# Altium PCB SG1.PcbDoc (part 3 of 3)
Units mil, origin at the board's own origin, x right, y up, seen from the top; angles counter-clockwise.
Board outline 5869 x 5955 mil, 6 copper layers (Top Layer, GND, PWR, SIGN, GND (Plane2), Bottom Layer), stack 61.068 mil thick; 119 components, 91 nets, 465 pads, 399 vias.
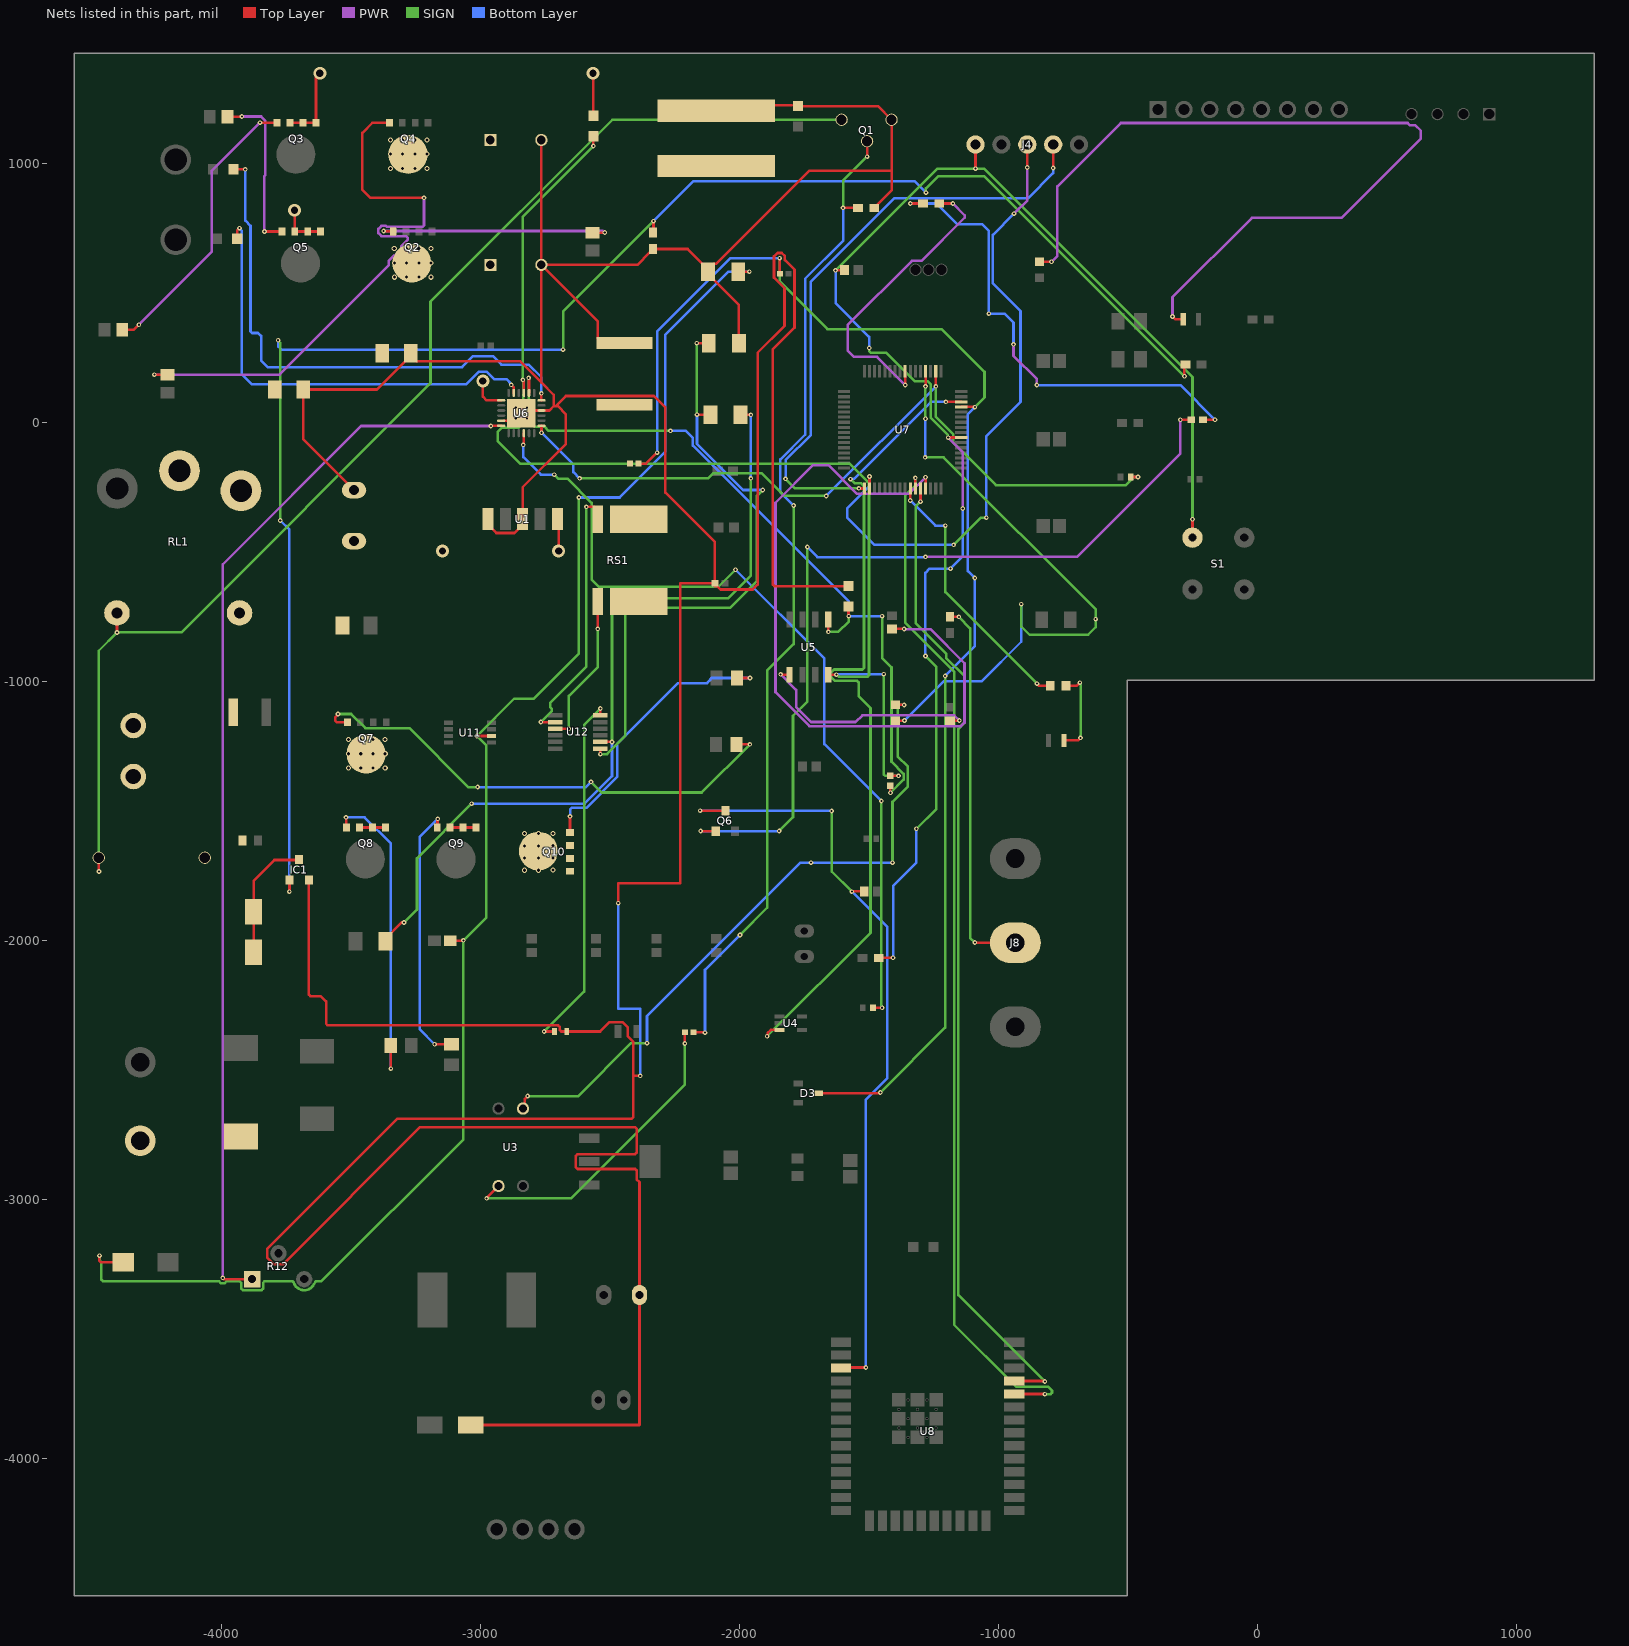
[diagram p7: the nets of this part, all layers, seen from the top]

## Via types
v1: diameter 18, hole 8, Top Layer to Bottom Layer, 260 vias
v2: diameter 19.68, hole 11.81, Top Layer to Bottom Layer, 96 vias
v3: diameter 50, hole 28, Top Layer to Bottom Layer, 38 vias
v4: diameter 19.68, hole 7.87, Top Layer to Bottom Layer, 4 vias
v5: diameter 23.62, hole 11.81, Top Layer to Bottom Layer, 1 vias

## Nets (pads, with @x,y where several pads share a name; then routed paths per layer and width w, separated by ;. In a path a pad name is that pad's centre, name@x,y a point inside that pad or via, vN(x,y) a via of type N, cw(c..) or ccw(c..) an arc to the next point about the centre after c; other vN are vias at no path point) (continued)
NetD4_1: D4.1 Q1.C RL1.2 | length 4830.5
  Top Layer w10: D4.1@-4475.72,-1681 -4475,-1681.72 -4475.36,-1682.09 -4475.36,-1733.64 v1(-4475,-1734) ; RL1.2@-4405.37,-735.61 -4405.37,-810.63 v1(-4405,-811)
  SIGN w10: D4.1@-4475.72,-1681 -4475.72,-881.72 v1(-4405,-811) -4157,-811 -3194.77,151.23 -3194.77,466.52 -2492.95,1168.34 Q1.C@-1607.46,1168.34
NetD5_2: D5.2 R6.2 | length 3228
  Top Layer w10: R6.2@-844,619.51 -797.49,619.51 v1(-797,620) ; v1(-330,409) -318.99,397.99 D5.2@-288.51,397.99
  PWR w10: v1(-797,620) -775,642 -775,910.51 -529.51,1156 578.04,1156 587.04,1147 607.91,1147 629,1125.91 629,1096.09 322.64,789.73 -23.64,789.73 -330,483.38 v1(-330,409)
NetD6_2: D6.2 R7.2 | length 341.3
  Top Layer w10: D6.2@-749.49,-1227.99 -694.99,-1227.99 v1(-685,-1218) ; R7.2@-741.49,-1017 -700,-1017 v1(-688,-1005)
  SIGN w10: v1(-688,-1005) -688,-1007.16 -685,-1010.16 v1(-685,-1218)
NetD7_1: D7.1 D7.2 IC1.3 J7.1 | length 486.9
  Top Layer w10: D7.1@-3878,-2046.74 D7.2@-3878,-1889.26 -3878,-1770 -3797.6,-1689.6 -3703.97,-1689.6 IC1.3@-3702,-1687.63
NetJ8_2: J8.2 R25.2 | length 1473.7
  Top Layer w10: R25.2@-1189,-750.5 -1155.5,-750.5 v1(-1155,-751) ; v1(-1093,-2008) -1092,-2009 J8.2@-936.57,-2009
  SIGN w10: v1(-1155,-751) -1111,-795 -1111,-1990 v1(-1093,-2008)
NetNT2_2: NT2.2 Q3.1 Q3.2 Q3.3 Q5.1 Q5.2 Q5.3 R18.2 | length 643.8
  Top Layer w10: Q3.3@-3736.87,1156.76 Q3.2@-3686.87,1156.76 Q3.1@-3636.87,1156.76 -3636.87,1333.13 v3(-3622,1348) ; v3(-3720,819) -3719.44,818.44 -3719.44,737.32 Q5.3@-3718.87,736.76 Q5.2@-3668.87,736.76 Q5.1@-3618.87,736.76 ; v3@-2567,1347 -2566,1346 NT2.2@-2566,1183.74
  other v3: -2567,1348
NetQ1_B: Q1.B R4.2 R5.1 | length 3845.2
  Top Layer w10: R4.2@-2179.27,-2355 -2136,-2355 v1(-2135,-2356) ; v1(-1602,828) -1601.69,828.31 R5.1@-1544.76,828.31 ; v1(-1509.03,1026.03) Q1.B@-1509.03,1085.66
  SIGN w10: v1(-2000,-1979) -1895,-1874 -1895,-958 -1793,-856 v1(-1793,-321) ; v1(-1602,828) -1602,933.06 v1(-1509.03,1026.03)
  Bottom Layer w10: v1(-2135,-2356) -2135,-2114 v1(-2000,-1979) ; v1(-1793,-321) -1844,-270 -1844,-143.37 -1748,-47.37 -1748,555 -1602,701 v1(-1602,828)
NetQ2_4: Q2.4 R15.2 | length 942.7
  Top Layer w10: v1(-3376,739) -3374.88,737.88 -3342.23,737.88 -3341.11,739 Q2.4@-3338.87,736.76 ; R15.2@-2569,732.45 -2522.55,732.45 v1(-2522,733)
  PWR w10: v1(-3376,739) -2530.16,739 -2524.16,733 v1(-2522,733)
NetQ3_4: Q3.4 R14.2 | length 1111.5
  Top Layer w10: R14.2@-4384.55,358 -4340,358 v1(-4321,377) ; v1(-3853,1157) -3852.76,1156.76 Q3.4@-3786.87,1156.76
  PWR w10: v1(-4321,377) -4039.66,658.34 -4039.66,970.34 v1(-3853,1157)
NetQ4_4: Q4.4 R17.2 | length 2289.8
  Top Layer w10: v1(-4261,184) -4260.45,183.45 R17.2@-4210,183.45 ; Q4.4@-3353.87,1156.76 -3419.24,1156.76 -3458,1118 -3458,898 -3427,867 v1(-3220,867)
  PWR w10: v1(-4261,184) -3778,184 -3355.29,606.71 -3355.29,624.15 -3333.58,645.86 -3330.04,645.86 -3308.34,667.56 -3308.34,679.27 -3282.75,704.86 -3282.75,713.14 -3288.61,719 -3384.28,719 -3396,730.72 -3396,747.28 -3384.28,759 -3367.72,759 -3363.72,755 -3225.86,755 -3220,760.86 v1(-3220,867)
NetQ5_4: Q5.4 R16.2 | length 649.2
  Top Layer w10: R16.2@-3978.55,1180 -3924,1180 v1(-3923,1181) ; v1(-3836,737) -3835.76,736.76 Q5.4@-3768.87,736.76
  PWR w10: v1(-3923,1181) -3848.72,1181 -3833,1165.28 -3833,953.72 -3836,950.72 v1(-3836,737)
NetQ6_1: Q6.1 R23.2 | length 3298.1
  Top Layer w10: v1(-2152,-1578) -2093.77,-1578 Q6.1@-2093.4,-1578.37 ; v1(-300,10) R23.2@-257.64,10
  PWR w10: v1(-1284,-519) -699,-519 -300,-120 v1(-300,10)
  SIGN w10: v1(-1849,-1578) -1795.27,-1524.27 -1795.27,-1132.73 -1740,-1077.46 v1(-1740,-481)
  Bottom Layer w10: v1(-2152,-1578) v1(-1849,-1578) ; v1(-1740,-481) -1701,-520 -1285,-520 v1(-1284,-519)
NetQ7_4: Q7.4 R27.2 | length 1939.7
  Top Layer w10: v1(-3552,-1126) -3552,-1128.16 -3562,-1138.16 -3562,-1152.38 -3556.14,-1158.24 Q7.4@-3515.87,-1158.24 ; R27.2@-2013.55,-1243 v1(-1962,-1243)
  SIGN w10: v1(-3552,-1126) -3501,-1126 -3446.14,-1180.86 -3276.86,-1180.86 -3049.72,-1408 v1(-3013,-1408) ; v1(-2575,-1388) -2534,-1429 -2148,-1429 v1(-1962,-1243)
  Bottom Layer w10: v1(-3013,-1408) -2595,-1408 v1(-2575,-1388)
NetQ7_5-6-7-8: Q7.5-6-7-8 Q8.1 Q8.2 Q8.3 | length 100
  Top Layer w10: Q8.3@-3468.87,-1564.24 Q8.2@-3418.87,-1564.24 Q8.1@-3368.87,-1564.24
  other v2: -3511.45,-1334.6 -3464.2,-1334.6 -3416.96,-1334.6 -3369.71,-1334.6 -3511.45,-1279.48 -3464.2,-1279.48 -3416.96,-1279.48 -3369.71,-1279.48 -3511.74,-1224.36 -3464.5,-1224.36 -3417.25,-1224.36 -3370.01,-1224.36
NetQ8_4: Q8.4 R29.2 | length 1214.1
  Top Layer w10: v1(-3521,-1525) -3519.94,-1526.06 -3519.94,-1561.05 -3521,-1562.11 Q8.4@-3518.87,-1564.24 ; R29.2@-3348.45,-2406 -3348.45,-2494.55 v1(-3348,-2495)
  Bottom Layer w10: v1(-3521,-1525) -3448.89,-1525 -3348,-1625.89 v1(-3348,-2495)
NetQ9_1: Q9.1 Q9.2 Q9.3 Q10.5-6-7-8 | length 100
  Top Layer w10: Q9.3@-3118.87,-1564.24 Q9.2@-3068.87,-1564.24 Q9.1@-3018.87,-1564.24
  other v2: -2832.6,-1729.29 -2777.48,-1729.29 -2722.36,-1728.99 -2832.6,-1682.04 -2777.48,-1682.04 -2722.36,-1681.75 -2832.6,-1634.8 -2777.48,-1634.8 -2722.36,-1634.5 -2832.6,-1587.55 -2777.48,-1587.55 -2722.36,-1587.26
NetQ9_4: Q9.4 R33.2 | length 1024
  Top Layer w10: v1(-3179,-2401) -3113.55,-2401 R33.2@-3113,-2401.55 ; Q9.4@-3168.87,-1564.24 -3167,-1562.37 -3167.94,-1561.43 -3167.94,-1531.94 v1(-3167,-1531)
  Bottom Layer w10: v1(-3179,-2401) -3237,-2343 -3237,-1601 v1(-3167,-1531)
NetQ10_1: Q10.1 Q10.2 Q10.3 RS1.1
NetQ10_4: Q10.4 R34.2 | length 1120.3
  Top Layer w10: Q10.4@-2656.24,-1583.13 -2656.24,-1521.24 v1(-2656,-1521) ; R34.2@-2011.55,-987 v1(-1961,-987)
  Bottom Layer w10: v1(-2656,-1521) -2656,-1493.86 -2650.14,-1488 -2593.37,-1488 -2474,-1368.63 -2474,-1242.28 -2238.72,-1007 -2126.72,-1007 -2115,-995.28 -2115,-992.86 -2109.14,-987 v1(-1961,-987)
NetR1_2: R1.2 U3.1 | length 2604.8
  Top Layer w10: U3.1@-2837.76,-2649.39 -2830.63,-2642.27 -2830.63,-2611.63 v1(-2820,-2601) ; R1.2@-1400,-1090.49 -1366.51,-1090.49 v1(-1366,-1091)
  SIGN w10: v1(-2820,-2601) -2624,-2601 -2420,-2397 v1(-2359,-2397) ; v1(-1411,-1700) -1411,-1465 -1352,-1406 -1352,-1329 -1391,-1290 -1391,-1096.86 -1385.14,-1091 v1(-1366,-1091)
  Bottom Layer w10: v1(-2359,-2397) -2359,-2292 -1767,-1700 v1(-1726,-1700) v1(-1411,-1700)
NetR4_1: R4.1 U3.3 | length 1215.3
  Top Layer w10: v1(-2978,-2996) -2978,-2994.36 U3.3@-2932.24,-2948.61 ; v1(-2213,-2398) -2212.73,-2397.73 R4.1@-2212.73,-2355
  SIGN w10: v1(-2978,-2996) -2652,-2996 -2213,-2557 v1(-2213,-2398)
NetR8_1: R8.1 U5.5 | length 895
  Top Layer w10: v1(-1843,-973) -1841.71,-974.29 U5.5@-1809.28,-974.29 ; R8.1@-1189,-1151.59 -1153.59,-1151.59 v1(-1153,-1151)
  PWR w10: v1(-1843,-973) -1843,-974 -1842,-974 -1783.19,-1032.81 -1783.19,-1098.72 -1724.91,-1157 -1553.81,-1157 -1527.81,-1131 -1173,-1131 v1(-1153,-1151)
NetR10_2: R10.2 U6.10 | length 3281.4
  Top Layer w10: v1(-2836.65,-86.56) -2836.65,-84.39 -2834.16,-81.9 U6.10@-2834.16,-41.76 ; R10.2@-1486.24,-2260.03 v1(-1451,-2260)
  SIGN w10: v1(-2717,-202) -2702,-217 -2666.72,-217 -2573,-310.72 -2573,-607 -2546,-634 -2082,-634 v1(-2017,-569) ; v1(-1454,-1462) -1454,-2251.34 -1452.53,-2252.81 -1452.53,-2258.47 v1(-1451,-2260)
  Bottom Layer w10: v1(-2836.65,-86.56) -2836.65,-134.35 -2769,-202 v1(-2717,-202) ; v1(-2017,-569) -1674,-912 -1674,-1242 v1(-1454,-1462)
NetR20_1: R20.1 U7.24 | length 1178.8
  Top Layer w10: U7.24@-1362.16,197.38 -1362.16,144.16 v1(-1362,144) ; R20.1@-1230.5,845 v1(-1178,845)
  PWR w10: v1(-1362,144) -1471,253 -1560,253 -1584,277 -1584,375.96 -1336.34,623.62 -1299.38,623.62 -1132.14,790.86 -1132.14,799.14 v1(-1178,845)
NetR21_1: R21.1 U7.61 | length 2839.7
  Top Layer w10: R21.1@-1413,-797.59 -1366.41,-797.59 v1(-1366,-798) ; v1(-1284,-212) -1283.42,-212.58 U7.61@-1283.42,-255.38
  PWR w10: v1(-1366,-798) -1265,-798 -1133,-930 -1133,-1159.28 -1146.72,-1173 -1731.54,-1173 -1863,-1041.54 -1863,-310.36 -1717.91,-165.28 -1659.01,-165.28 -1549.28,-275 -1347,-275 v1(-1284,-212)
NetR24_2: IC1.1 R24.2 R26.2 | length 6541.1
  Top Layer w10: v1(-3740,-1812) -3739.4,-1811.4 IC1.1@-3739.4,-1766.37 ; R26.2@-2335,732.5 -2334,733.5 v1(-2334,777) ; v1(-284,178) -284,219.5 R24.2@-280.5,223
  SIGN w10: v1(-3783,317) -3783,314.84 -3775,306.84 v1(-3775,-379) ; v1(-2683,281) -2683,428 v1(-2334,777) ; v1(-1282,887) -1282,903 -1234,951 -1057,951 v1(-284,178)
  Bottom Layer w10: v1(-3783,317) -3782,316 -3782,293 -3770,281 v1(-2683,281) ; v1(-3775,-379) -3740,-414 v1(-3740,-1812) ; v1(-2334,777) -2180,931 -1326,931 v1(-1282,887)
NRST: C19.2 J4.5 R19.1 S1.1 U7.7 | length 5842.7
  Top Layer w10: v1(-1631,587) -1597.57,587 C19.2@-1596.57,588 ; R19.1@-1463.94,-2067.39 -1409.39,-2067.39 v1(-1409,-2067) ; v1(-1196,-59) -1195.53,-58.53 U7.7@-1145.62,-58.53 ; v1(-1090.8,979.8) J4.5@-1090.8,1072.58 ; S1.1@-253,-445 v1(-253,-374)
  PWR w10: v1(-1196,-59) -1140,-115 v1(-1140,-332.78)
  SIGN w10: v1(-1631,587) -1238.2,979.8 v1(-1090.8,979.8) -1057.52,979.8 -253,175.28 v1(-253,-374) ; v1(-1501,287) -1500.2,286.2 -1500.2,273.86 -1494.34,268 -1435,268 -1326,159 -1275.72,159 -1264,147.28 -1264,18.37 -1197.53,-48.1 -1197.53,-57.47 v1(-1196,-59) ; v1(-1319,-1569) -1242,-1492 -1242,-944 v1(-1284,-902)
  Bottom Layer w10: v1(-1631,587) -1631,460 -1501,330 v1(-1501,287) ; v1(-1409,-2067) -1409,-1790 -1319,-1700 v1(-1319,-1569) ; v1(-1284,-902) -1284,-581.16 -1267.84,-565 v1(-1187,-565) -1140,-518 v1(-1140,-332.78)
OUT: RS1.3 U12.2 | length 1048.3
  Top Layer w10: v1(-2769,-1157) U12.2@-2713.47,-1157.02 ; v1(-2593,-326) -2592.42,-326.58 -2563.52,-326.58 -2549.04,-341.07 RS1.3@-2549.04,-374.14
  SIGN w10: v1(-2769,-1157) -2726.28,-1114.28 -2726.28,-1106 -2733,-1099.28 -2733,-1082.72 -2593,-942.72 v1(-2593,-326)
OV: R31.1 R32.2 U12.7 | length 2356.4
  Top Layer w10: U12.7@-2539.3,-1259.39 -2539.3,-1280.7 v1(-2539,-1281) ; v1(-2167,306) -2166.61,305.61 R32.2@-2120.33,305.61 ; v1(-2166,30) -2165.39,29.39 R31.1@-2113.91,29.39
  SIGN w10: v1(-2539,-1281) -2512.72,-1281 -2443,-1211.28 -2443,-740 -2419.5,-716.5 -2038.5,-716.5 -1935,-613 -1935,-284 v1(-1912,-261) ; v1(-2167,306) -2166.5,305.5 -2166.5,30.5 v1(-2166,30)
  Bottom Layer w10: v1(-2166,30) -2166,-83 -1988,-261 v1(-1912,-261)
PGND: C1.2 C4.2 C15.1 C16.N C17.1 C18.N C33.1 C34.1 D2.1 IC1.2 NT3.2 NT5.1 Q1.E R5.2 R18.1 R26.1 R28.1 R32.1 R36.1 U1.3 U1.5 U6.5 U6.16 U6.CVV | length 21441
  Top Layer w10: IC1.2@-3664.6,-1766.37 -3664.6,-2209.14 -3658.74,-2215 -3619.09,-2215 -3598,-2236.09 -3598,-2321.87 -3592.14,-2327.73 -2701.95,-2327.73 -2695.5,-2334.17 -2695.5,-2346.11 -2689.64,-2351.97 C33.1@-2668.56,-2351.97 -2540.25,-2351.97 -2503.69,-2315.41 -2453.07,-2315.41 -2432.83,-2335.64 -2432.83,-2370.69 -2421.38,-2382.15 -2412.6,-2390.93 -2412.6,-2683.14 -2418.46,-2689 -3323.31,-2689 -3824.71,-3190.4 -3824.71,-3225.6 -3799.81,-3250.5 -3764.61,-3250.5 -3235.11,-2721 -2405.09,-2721 -2399.23,-2726.86 -2399.23,-2819.43 -2405.09,-2825.28 -2627.04,-2825.28 -2633.48,-2831.73 -2633.48,-2876.27 -2627.04,-2882.72 -2405.09,-2882.72 -2399.23,-2888.57 -2399.23,-2922.53 -2388.1,-2933.66 C4.2@-2388.1,-3369 -2388.1,-3871 D2.1@-3040.26,-3871 ; C1.2@-3490,-261.58 -3491.41,-261.58 -3515.89,-237.1 -3515.89,-235.69 -3685.88,-65.69 C15.1@-3685.88,127 -3402.02,127 C17.1@-3270.88,258.14 ; C17.1@-3270.88,267 C17.1@-3270.88,258.14 ; U1.5@-2972.99,-373.7 -2972.99,-395.16 -2940.92,-427.22 -2871.19,-427.22 -2839.13,-395.16 U1.3@-2839.13,-373.7 -2839.13,-250.51 -2672,-83.38 -2672,31.28 -2703.43,62.72 -2711.22,62.72 ; U6.5@-2911.09,6.47 U6.CVV@-2865.65,6.47 ; U6.CVV@-2822.35,45.84 U6.16@-2766.24,45.84 -2766.17,45.92 -2735.79,45.92 -2719,62.72 ; C18.N@-2766.75,1090 C16.N@-2766.75,608 ; v1(-2470,-1856) -2470,-1779 -2230,-1779 -2230,-621.03 R36.1@-2096.98,-621.03 ; C34.1@-2445.61,306.28 -2531.24,306.28 -2548.94,323.97 -2548.94,390.18 C16.N@-2766.75,608 ; -2406,-2523 v1(-2385,-2523) ; R18.1@-2092,1202.3 -2070.3,1224 -1799.67,1224 ; R32.1@-2004.09,305.61 -2004.09,453.67 -2122.91,572.49 R28.1@-2122.91,581.39 R28.1@-2122.91,590.3 ; NT5.1@-1776,1221 -1467.2,1221 Q1.E@-1414.54,1168.34 -1414.54,971 ; NT3.2@-1581,-632.26 -1867.14,-632.26 -1873,-626.4 -1873,282.5 -1789.46,366.04 -1789.46,589.38 -1827,626.93 -1827,642.28 -1838.72,654 -1855.28,654 -1868.54,640.74 -1868.54,558.62 -1828.27,518.34 -1828.27,372.49 -1932,268.75 -1932,-626.4 -1950.87,-645.27 -2075.15,-645.27 -2088.16,-632.26 -2096.98,-632.26 R36.1@-2096.98,-621.03 ; R5.2@-1481.76,828.31 -1478.26,828.31 -1467.76,838.81 -1467.76,842.31 -1414.54,895.52 -1414.54,971 ; C17.1@-3270.88,258.14 -3249.31,236.57 -2849.28,236.57 -2766.75,154.04 ; -2766.75,154.04 -2719,106.28 -2719,62.72 ; -2766.75,154.04 C16.N@-2766.75,608 ; C16.N@-2766.75,608 -2396.5,608 -2349,655.5 -2345.5,655.5 -2335,666 R26.1@-2335,669.5 -2202.11,669.5 R28.1@-2122.91,590.3 ; -2719,62.72 -2711.22,62.72 ; -2711.22,62.72 -2672.15,101.79 -2332.72,101.79 -2288,57.06 -2288,-271.28 -2096.98,-462.3 R36.1@-2096.98,-621.03 ; R28.1@-2122.91,590.3 -2101.22,611.99 -2092.31,611.99 -1733.3,971 -1414.54,971
  Bottom Layer w10: v4(-2865.65,14.35) v4(-2865.65,57.65) ; v1(-2470,-1856) -2470,-2264 -2385,-2264 v1(-2385,-2523)
  other v4: -2822.35,14.35 -2822.35,57.65
RLY_EN: R1.1 U7.20 | length 2458.9
  Top Layer w10: R1.1@-1400,-1151.51 -1365.51,-1151.51 v1(-1365,-1151) ; v1(-1284,139) -1283.42,139.58 U7.20@-1283.42,197.38
  SIGN w10: v1(-1285,-135) -1213.46,-135 -627,-721.46 v1(-627,-760) -627,-791 -656,-820 -882,-820 -914,-788 v1(-914,-702) ; v1(-1284,14) v1(-1284,139)
  Bottom Layer w10: v1(-1365,-1151) -1213,-999 -1066,-999 -914,-847 v1(-914,-702) ; v1(-1285,-135) -1284,-134 v1(-1284,14)
S_N: C14.1 NT3.1 U5.1 U6.20 | length 2917.3
  Top Layer w10: v1(-2815.79,172.11) -2814.47,170.79 U6.20@-2814.47,113.76 ; U5.1@-1659.28,-761.69 -1659.28,-808.72 v1(-1659,-809) ; NT3.1@-1581,-711 -1581,-747 v1(-1580,-748) ; C14.1@-1420,-1403.29 -1419,-1404.29 -1419.5,-1404.79 -1419.5,-1429.5 v1(-1419,-1430)
  SIGN w10: v1(-2815.79,172.11) -2815.79,92.87 -2801.5,78.58 -2801.5,-6.5 -2791.26,-16.75 -2755.25,-16.75 -2739,-33 v1(-2268,-33) ; v1(-1659,-809) -1621,-809 -1580,-768 v1(-1580,-748) ; v1(-1451,-748) -1451,-910 -1414.86,-946.14 -1414.86,-1309.86 -1368,-1356.72 -1368,-1379 v1(-1419,-1430)
  Bottom Layer w10: v1(-2268,-33) -2209,-33 -2182,-60 -2182,-89.63 -1580,-691.63 v1(-1580,-748) v1(-1451,-748)
S_P: C14.2 NT2.1 U5.8 U6.21 | length 4490
  Top Layer w10: v1(-2838.47,164.26) -2838.47,162.09 -2834.16,157.78 U6.21@-2834.16,113.76 ; v1(-2566,1067) NT2.1@-2566,1105 ; U5.8@-1659.28,-974.29 -1628.29,-974.29 v1(-1628,-974) ; C14.2@-1420,-1364.71 -1388.29,-1364.71 v1(-1388,-1365)
  SIGN w10: v1(-2566,1067) -2838.47,794.53 v1(-2838.47,164.26) -2837,162.78 -2837,72.48 -2844.81,64.66 -2844.81,-9.95 -2854.86,-20 -2919.28,-20 -2936,-36.72 -2936,-71.91 -2848.6,-159.31 -1577.97,-159.31 -1508.28,-229 -1507.66,-229 -1501.8,-234.86 -1501.8,-975.94 -1507.66,-981.8 -1618.14,-981.8 -1625.94,-974 v1(-1628,-974) ; v1(-1445,-972) -1445,-1359.14 -1439.14,-1365 v1(-1388,-1365)
  Bottom Layer w10: v1(-1628,-974) -1627,-973 -1446,-973 v1(-1445,-972)
SH1: NT1.1 U6.18 | length 2057.5
  Top Layer w10: NT1.1@-3956,977 v1(-3910,977) ; v1(-2767,112) -2766.62,111.62 -2766.62,85.29 -2766.54,85.21 U6.18@-2766.24,85.21
  Bottom Layer w10: v1(-3910,977) -3910,778.91 -3890,758.91 -3890,350.86 -3884.14,345 -3860.72,345 -3849,333.28 -3849,238 -3824,213 -3073,213 -3030,256 -2954,256 -2921,223 -2815.77,223 -2767,174.23 v1(-2767,112)
SH2: NT4.2 U6.23 | length 1747.3
  Top Layer w10: NT4.2@-3941,709 -3941,741 v1(-3932,750) ; v1(-2883,145) -2873.61,135.61 -2873.61,113.83 U6.23@-2873.53,113.76
  Bottom Layer w10: v1(-3932,750) -3932,748.14 -3924,740.14 -3924,187.37 -3883.16,146.53 -3057.38,146.53 -3007.91,196 -2978.09,196 -2949.09,167 -2901.72,167 -2890,155.28 -2890,154.16 -2883,147.16 v1(-2883,145)
SLEEP_DRV: R13.1 U6.13 U7.18 | length 2988.4
  Top Layer w10: U6.13@-2766.24,-13.21 -2766.24,-39.76 v1(-2766,-40) ; U7.18@-1244.05,197.38 -1244.05,135.05 v1@-1244,135 ; R13.1@-491.32,-211 v1(-463,-211)
  SIGN w10: v1(-2619,-216) -2122.72,-216 -2102.72,-196 -1916.04,-196 -1828.04,-284 v1(-1667,-284) ; v1(-1244,139) -1244,21 -1176,-47 -1176,-78 -1012,-242 -510,-242 -479,-211 v1(-463,-211)
  Bottom Layer w10: v1(-2766,-40) -2643,-163 -2643,-192 v1(-2619,-216) ; v1(-1667,-284) v1(-1244,139)
SNS: RS1.4 U12.3 | length 590.2
  Top Layer w10: U12.3@-2713.47,-1182.61 -2661.39,-1182.61 v1(-2661,-1183) ; RS1.4@-2549.04,-691.86 v1(-2549,-797) v1(-2549,-797)
  SIGN w10: v1(-2661,-1183) -2661,-1055.97 -2549,-943.97 v1(-2549,-797)
ST_SWCLK: J4.3 U7.50 | length 2459.3
  Top Layer w10: v1(-1500,-209) v1(-1500,-209) U7.50@-1499.95,-255.38 ; v1(-890.8,984.2) J4.3@-890.8,1072.58
  PWR w10: v1(-942,806) -890.8,857.2 v1(-890.8,984.2)
  SIGN w10: v1(-1175,-473) -1070,-368 v1(-1049,-368)
  Bottom Layer w10: v1(-1500,-209) -1500,-246.22 -1586,-332.22 -1586,-367.28 -1480.28,-473 v1(-1175,-473) ; v1(-1049,-368) -1049,-53.28 -917,78.72 -917,429.63 -1024,536.63 -1024,724 v1(-942,806)
ST_SWDIO: J4.2 U7.49 | length 2341.2
  Top Layer w10: v1(-1541,-255) -1540.62,-255.38 U7.49@-1519.64,-255.38 ; v1(-790.8,982.2) J4.2@-790.8,1072.58
  SIGN w10: v1(-1824,-218) -1787,-255 v1(-1541,-255)
  Bottom Layer w10: v1(-1824,-218) -1824,-146 -1726.5,-48.5 -1726.5,543.5 -1405,865 -888,865 -790.8,962.2 v1(-790.8,982.2)
SYS_STATUS: R7.1 U7.58 | length 1032.4
  Top Layer w10: v1(-1342.47,-301.47) U7.58@-1342.47,-255.38 ; v1(-853,-1009) -845,-1017 R7.1@-802.51,-1017
  SIGN w10: v1(-1207,-399) -1207,-655 v1(-853,-1009)
  Bottom Layer w10: v1(-1342.47,-301.47) -1244.95,-399 v1(-1207,-399)
TEMP_SNS: U4.3 U7.14 | length 3196.1
  Top Layer w10: v1(-1895,-2370) -1893.47,-2368.47 -1893.47,-2358.05 -1881.01,-2345.59 U4.3@-1847.31,-2345.59 ; v1(-1205,79) -1204.73,79.27 U7.14@-1145.62,79.27
  SIGN w10: v1(-1895,-2370) -1496,-1971 -1496,-1103 -1542,-1057 -1542,-1003.66 -1547.86,-997.8 -1632.48,-997.8 -1648,-982.28 -1648,-965.72 -1636.28,-954 -1526.86,-954 -1521,-948.14 -1521,-246.72 -1532.72,-235 -1557,-235 v1(-1573,-219)
  Bottom Layer w10: v1(-1573,-219) -1572.03,-218.03 -1560.03,-218.03 -1263,79 v1(-1205,79)
TMR: C33.2 U12.12 | length 1403.7
  Top Layer w10: v1(-2756,-2352) C33.2@-2715.8,-2351.97 ; U12.12@-2539.3,-1131.43 -2539.3,-1105.3 v1(-2539,-1105)
  SIGN w10: v1(-2756,-2352) -2602,-2198 -2602,-1168 v1(-2539,-1105)
UV: R30.2 R31.2 U12.8 | length 3199.6
  Top Layer w10: R30.2@-3368.67,-2002.61 -3368.67,-1993.7 -3305.97,-1931 v1(-3297,-1931) ; U12.8@-2539.3,-1233.8 -2494.2,-1233.8 v1(-2494,-1234) ; R31.2@-1997.67,29.39 -1958.39,29.39 v1(-1958,29)
  SIGN w10: v1(-3297,-1931) -3247,-1881 -3247,-1683 v1(-3036,-1472) ; v1(-2494,-1234) -2494,-722 -2451.5,-679.5 -2045.5,-679.5 -1958,-592 v1(-1958,-216)
  Bottom Layer w10: v1(-3036,-1472) -2600,-1472 -2494,-1366 v1(-2494,-1234) ; v1(-1958,-216) v1(-1958,29)
V_Bat: F1.1 J1.1
VBAT_MON: D3.3 R2.2 R3.1 U7.13 | length 5497.1
  Top Layer w10: R2.2@-2391.27,-159 -2362,-159 v1(-2320,-117) ; v1(-1847,634) -1846.37,633.37 -1846.37,574.63 R3.1@-1845.73,574 ; D3.3@-1697.78,-2589.89 -1463.06,-2589.89 -1460.16,-2587 v1(-1458,-2587) ; U7.13@-1145.62,59.58 -1093.58,59.58 v1(-1093,59)
  SIGN w10: v1(-1847,634) -1847,545 -1662,360 -1221.09,360 -1056,194.91 -1056,96 v1(-1093,59) ; v1(-1458,-2587) -1208,-2337 v1(-1208,-979)
  Bottom Layer w10: v1(-2320,-117) -2320,351 -2037,634 v1(-1847,634) ; v1(-1208,-979) -1093,-864 v1(-1093,-601) -1120,-574 -1120,32 v1(-1093,59)
VIN: C1.1 C8.2 C10.2 C34.2 D4.2 J7.2 R2.1 R35.2 RL1.4 RL1.5 RS1.2 U1.1 U6.1 | length 275.4
  Top Layer w10: v3(-2993,160) -2993,99 -2979.21,85.21 U6.1@-2921.76,85.21 ; U1.1@-2705.27,-373.7 -2700,-378.97 v3@-2700,-509
  other v3: -3149,-497 -2700,-497
VM: C15.2 C16.P C17.2 C18.P Q2.5-6-7-8 Q4.5-6-7-8 RL1.3
  other v2: -3334.45,560.4 -3287.2,560.4 -3239.96,560.4 -3192.71,560.4 -3334.45,615.52 -3287.2,615.52 -3239.96,615.52 -3192.71,615.52 -3334.74,670.64 -3287.5,670.64 -3240.25,670.64 -3193.01,670.64 -3349.45,980.4 -3302.2,980.4 -3254.96,980.4 -3207.71,980.4 -3349.45,1035.52 -3302.2,1035.52 -3254.96,1035.52 -3207.71,1035.52 -3349.74,1090.64 -3302.5,1090.64 -3255.25,1090.64 -3208.01,1090.64
VREF: R12.1 U6.6 | length 4167.4
  Top Layer w10: v1(-3997,-3303) -3992,-3308 R12.1@-3883.39,-3308 ; v1(-2962,-14) -2961.21,-13.21 U6.6@-2921.76,-13.21
  PWR w10: v1(-3997,-3303) -3997,-548 -3463,-14 v1(-2962,-14)
VSS: C32.1 D8.1 R28.2 U11.6 | length 6101.3
  Top Layer w10: v1(-4473,-3217) -4473,-3237.14 -4467.14,-3243 D8.1@-4381.61,-3243 ; C32.1@-3118.8,-2000.97 -3068.97,-2000.97 v1(-3068,-2000) ; v1(-3016,-1211) -3015.8,-1210.8 U11.6@-2959.13,-1210.8 ; R28.2@-2006.67,581.39 -1964.61,581.39 v1(-1964,582)
  SIGN w10: v1(-4473,-3217) -4471.98,-3218.02 -4471.98,-3236.02 -4466,-3242 -4466,-3310.14 -4460.14,-3316 -4012.28,-3316 -4005.28,-3323 -3988.72,-3323 -3981.72,-3316 -3931.75,-3316 -3925.89,-3321.86 -3925.89,-3344.05 -3919.45,-3350.5 -3847.34,-3350.5 -3840.9,-3344.05 -3840.9,-3321.86 -3835.04,-3316 -3727.78,-3316 -3724.85,-3318.93 -3723.2,-3320.58 ccw(c-3682.61,-3308) -3644.92,-3327.64 -3640.4,-3318.96 cw(c-3633.29,-3326) -3640.36,-3318.93 -3637.43,-3316 -3616,-3316 -3068,-2768 v1(-3068,-2000) -2979,-1911 -2979,-1248 v1(-3016,-1211) -2871.54,-1066.54 -2795.54,-1066.54 -2622,-893 v1(-2622,-290)
  Bottom Layer w10: v1(-2622,-290) -2464.72,-290 -2288,-113.28 -2288,339 -2045,582 v1(-1964,582)
WIFI_EN: R20.2 R23.1 | length 1892.3
  Top Layer w10: v1(-1342,845) R20.2@-1293.5,845 ; R23.1@-212.36,10 v1(-166,10)
  PWR w10: v1(-944,301) -944,257 -854,167 v1(-854,144)
  Bottom Layer w10: v1(-1342,845) -1241.92,845 -1161.92,765 -1064.86,765 -1040,740.14 -1040,421 v1(-1039,420) -978.72,420 -944,385.28 v1(-944,301) ; v1(-854,144) -300,144 v1(-166,10)
WIFI_OUT: Q6.3 R22.2 U8.3 | length 3023.8
  Top Layer w10: v1(-2154,-1499) -2056.63,-1499 Q6.3@-2056,-1499.63 ; U8.3@-1609.88,-3651.3 -1607.58,-3649 v1(-1514,-3649) ; v1(-1568,-1812) -1567,-1811 R22.2@-1520.59,-1811
  SIGN w10: v1(-1645.84,-1500.16) -1645,-1501 -1645,-1735 v1(-1568,-1812)
  Bottom Layer w10: v1(-2154,-1499) -2153.42,-1499.58 -1646.42,-1499.58 v1(-1645.84,-1500.16) ; v1(-1568,-1812) -1431,-1949 -1431,-2531.72 -1514,-2614.72 v1(-1514,-3649)
WIFI_RX: U7.59 U8.34 | length 4045.4
  Top Layer w10: v1(-1323,-214) -1322.79,-214.21 U7.59@-1322.79,-255.38 ; U8.34@-940.59,-3751.3 -823.7,-3751.3 v1(-823,-3752)
  SIGN w10: v1(-1323,-214) -1323,-243.22 -1362.47,-282.7 -1362.47,-773.24 -1173,-962.72 -1173,-3484 -934,-3723 -810.16,-3723 -795.3,-3737.86 -795.3,-3746.14 -801.16,-3752 v1(-823,-3752)
WIFI_TX: U7.60 U8.35 | length 3800.4
  Top Layer w10: U7.60@-1303.1,-255.38 -1303.1,-305.9 v1(-1303,-306) ; U8.35@-940.59,-3701.3 -824.7,-3701.3 v1(-823,-3703)
  SIGN w10: v1(-1303,-306) -1322,-325 -1322,-775 -1204,-893 -1204,-909.09 -1133,-980.09 -1133,-1159.28 -1157,-1183.28 -1157,-3369 v1(-823,-3703)
pads on no net: RL1.1 S1.2 S1.4 U5.4 U6.11 U7.1 U7.2 U7.3 U7.4 U7.9 U7.10 U7.11 U7.21 U7.22 U7.23 U7.25 U7.26 U7.34 U7.37 U7.38 U7.39 U7.40 U7.41 U7.44 U7.45 U7.46 U7.51 U7.54 U7.55 U7.56 U7.62 U8.4 U8.5 U8.6 U8.7 U8.8 U8.9 U8.10 U8.11 U8.12 U8.13 U8.14 U8.16 U8.17 U8.18 U8.19 U8.20 U8.21 U8.22 U8.23 U8.24 U8.25 U8.26 U8.27 U8.28 U8.29 U8.30 U8.31 U8.32 U8.33 U8.36 U8.37 U9.4 U9.5 U9.6 U9.7 U11.3 U11.5 U11.7 U12.10 U12.11

## Polygon pours and split planes (outlines as drawn)
GND on Top Layer "GND_L01_P035" (solid, remove dead copper, pour order 35): -4549,1405 -4549,1399 1273,1399 1273,-980 -533,-980 -533,-4512 -4551,-4512
+5 on Top Layer "+5_L01_P030" (solid, pour order 30): -2929.69,-3253 -2458,-3253 -2458,-3447 -2561,-3550 -2930.75,-3550
NetD7_1 on Top Layer "NETD7_1_L01_P029" (solid, pour order 29): -4250,-1084.33 -4250,-1241 -4438,-1241 -4438,-1571 -4422,-1571 -4149,-1844 -4119,-1814 -3810,-1814 -3810,-2214 -4235,-2214 -4235,-1875 -4507,-1603 -4507,-1086.33
NetD2_2 on Top Layer "NETD2_2_L01_P028" (solid, pour order 28): -3312,-3212 -3312,-3943 -3140,-3943 -3140,-3532 -3079,-3532 -3079,-3481 -3079,-3461 -3079,-3212
NetNT2_2 on Top Layer "NETNT2_2_L01_P020" (solid, pour order 20): -2404,921 -1836,921 -1836,1059 -2348,1059 -2502,1213 -2597,1213 -2597,1153 -2535.27,1153 -2404,1020 -2404,931
NetQ10_1 on Top Layer "NETQ10_1_L01_P019" (solid, pour order 19): -2672,-1754 -2251,-1754 -2251,-604 -2523,-604 -2523,-794 -2427,-890 -2427,-1410 -2636,-1619 -2672,-1619
NetC32_2 on Top Layer "NETC32_2_L01_P018" (solid, pour order 18): -3152,-1647 -3151,-1646 -3151,-1614 -3194,-1614 -3208,-1600 -3204,-1596 -3204,-1510 -3204,-1367 -3061,-1367 -2671,-1367 -2671,-1281 -3233,-1281 -3315,-1363 -3315,-1647
NetD1_1 on Top Layer "NETD1_1_L01_P015" (solid, pour order 15): -4026,-2355 -4027,-2356 -4027,-2473 -4027,-2537.25 -3935,-2540 -3933,-2538 -3533,-2538 -3533,-2337 -4025,-2337
V_Bat on Top Layer "V_BAT_L01_P014" (solid, pour order 14): -4481,-2869 -4482,-2870 -4481,-2871 -3816,-2871 -3816,-2656 -3823,-2649 -4481,-2649
M_B on Top Layer "M_B_L01_P012" (solid, pour order 12): -4049.43,738.68 -4049.43,604.43 -3950.26,505.26 -3605.59,505.26 -3605.59,700.15 -3891.85,700.15 -3895,648 -3938.61,627.87 -3990.06,679.32 -3990.06,738.68
M_B on Top Layer "M_B_L01_P011" (solid, pour order 11): -4265,799 -4265,646 -4265,606 -4209,606 -3986,606 -3986,683 -3986,815 -4266,815
M_A on Top Layer "M_A_L01_P010" (solid, remove dead copper, pour order 10): -3683,1006.94 -3683,852 -3536,852 -3536,929 -3614.97,1007.97
M_A on Top Layer "M_A_L01_P008" (solid, pour order 8): -4056,1093 -4028.85,1120.15 -3623.59,1120.15 -3623.59,925.26 -3800.16,925.26 -3897,1022.1 -3897,1046 -4050,1046 -4054,1042
M_A on Top Layer "M_A_L01_P007" (solid, pour order 7): -4277.91,1104 -4007,1104 -4007,931 -4279,931
VM on Top Layer "VM_L01_P006" (solid, pour order 6): -4032.47,-317.53 -3983,-367 -3832,-367 -3760,-295 -3760,192 -3339,192 -3339,350 -3289,350 -3080,559 -2918,559 -2918,681 -2918,1151 -3153,1151 -3183,1121 -3424,1121 -3424,910 -3414,900 -3107,900 -3107,775 -3173,709 -3407,709 -3407,594 -3407,579 -3449,486 -3705,281 -4029.77,281
VIN on Top Layer "VIN_L01_P002" (solid, pour order 2): -3536,-387 -3532,-391 -3125,-391 -3063,-453 -2525,-453 -2525,-38 -2590.42,43 -2599,43 -2599,117 -2289,117 -2272,100 -2339,-23 -2418,-23 -2418,-27 -2418,-46 -2418,-221 -2346,-293 -2249,-293 -2249,-526 -2291,-568 -3539,-568
VIN on Top Layer "VIN_L01_P003" (solid, pour order 3): -3065,-567 -3065,-562.09 -3065,-232 -3028,-232 -3028,-156 -3028,98 -3002,98 -2939,98 -2939,219 -3060,219 -3186,93 -3186,-361 -3232,-407 -3232,-567
VIN on Top Layer "VIN_L01_P001" (solid, pour order 1): -3493,-818 -3492,-817 -3492,-544 -3420,-544 -3420,-472 -3420,-375 -3655,-375 -3844,-564 -4001,-564 -4001,-448 -4063,-386 -4063,-260 -4063,-113 -4104,-72 -4271,-72 -4271,-277 -4238,-310 -4238,-721 -4132,-721 -4141,-721 -4141,-782 -4015,-838 -3493,-838
VIN on Top Layer "VIN_L01_P000" (solid, pour order 0): -4425,-1296 -4425,-1443 -4140,-1728 -3983,-1728 -3893,-1658 -3893,-1211 -3901,-1172 -3901,-805 -3860,-764 -3860,-594 -3953,-594 -4141,-782 -4141,-1296
3.3V on PWR "3.3V_L03_P027" (solid, pour order 27): -1828,-2704 -1713,-2704 -1713,-3584 -1713,-3632 -1761,-3632 -1887,-3632 -1887,-2702
3.3V on PWR "3.3V_L03_P026" (solid, pour order 26): -2852,-2076 -1897,-2076 -1829,-2008 -1692,-2008 -1692,-2221 -1643,-2270 -1483,-2270 -1483,-2756 -1530,-2803 -1656,-2803 -1656,-2554 -1902,-2308 -1902,-2178 -2852,-2178
3.3V on PWR "3.3V_L03_P025" (solid, pour order 25): -2086,-2694 -2086,-2801 -1528,-2801 -1528,-2463 -2087.99,-2463
+5 on PWR "+5_L03_P024" (solid, pour order 24): -2884,-2896 -2539,-2896 -2539,-3146 -2462,-3223 -2462,-3455 -2655,-3455 -2884,-3226
+5 on PWR "+5_L03_P023" (solid, remove dead copper, pour order 23): -2936,-3222 -2462,-3222 -2462,-3670 -2500,-3708 -2500,-3907 -2598,-3907 -2894,-4203 -2894,-4334 -3018,-4334 -3018,-4161 -2935,-4078 -2935,-3520
NetNT2_2 on PWR "NETNT2_2_L03_P022" (solid, pour order 22): -2505,1394.98 -2505,1298 -2581,1298 -2611,1298 -2611,1330 -3634,1330 -3634,1334 -3671,1371 -3671,1395 -2539.58,1395
NetNT2_2 on PWR "NETNT2_2_L03_P021" (solid, pour order 21): -3774.07,873 -3774.07,770 -3571,770 -3542,799 -3542,1353 -3584,1395 -3671,1395 -3671,1270 -3605,1204 -3605,906 -3638,873
NetD1_1 on PWR "NETD1_1_L03_P017" (solid, pour order 17): -3681,-2306 -3714,-2306 -3575,-2306 -3575,-1105 -3462,-1105 -3462,-1130 -3437,-1130 -3326,-1130 -3326,-1010 -3337,-999 -3626,-999 -3626,-1800 -3681,-1800
M_B on PWR "M_B_L03_P013" (solid, pour order 13): -3289,1313.04 -3289,1202 -3415,1076 -3415,622 -3601,622 -3601,710 -3530,781 -3530,1317.56 -3296.05,1320.02
GND on Bottom Layer "GND_L06_P036" (solid, remove dead copper, pour order 36): -4560,1397 -4560,1402 1279,1402 1279,-979 -540,-979 -540,-4512 -4566,-4512
GND on GND (split plane): 1278.9,-974.9 -505,-974.9 -508.92,-975.29 -512.69,-976.43 -516.17,-978.29 -519.21,-980.79 -521.71,-983.83 -523.57,-987.31 -524.71,-991.08 -525.1,-995 -525.1,-4509.9 -4549.9,-4509.9 -4549.9,1404.9 1278.9,1404.9
GND on GND (Plane2) (split plane): 1278.9,-974.9 -505,-974.9 -508.92,-975.29 -512.69,-976.43 -516.17,-978.29 -519.21,-980.79 -521.71,-983.83 -523.57,-987.31 -524.71,-991.08 -525.1,-995 -525.1,-4509.9 -4549.9,-4509.9 -4549.9,1404.9 1278.9,1404.9

## Other copper
Top Layer:
  region net PGND: -2900,91 -2788,91 -2788,-20 -2899,-20
  region net GND: -1273,-3148 -1274,-3149 -1274,-3226 -1197,-3226 -1198,-3225 -1198,-3147
  region net NetD2_2: -3256.95,-3827.54 -3140,-3827.54 -3140,-3914.46 -3256.95,-3914.46
  region net +5: -2994.87,-4214 -2894,-4214 -2894,-4334 -2994,-4334 -2996,-4332
  region net NetNT2_2: -2536.32,1213 -2597,1213 -2597,1153 -2537.37,1153 -2536.32,1154.06
  region net NetQ10_1: -2631.48,-1614.48 -2667.48,-1614.48 -2672,-1619 -2672,-1754 -2631.48,-1754
  region net NetQ10_1: -2672,-1619 -2636,-1619 -2636,-1754 -2672,-1754
  region net NetQ9_1: -3131,-1550 -2890,-1550 -2870.16,-1569.84 -2692.85,-1569.84 -2692.85,-1746.41 -2887.74,-1746.41 -2887.74,-1672.26 -2978,-1582 -3133,-1582
  region net NetC32_2: -3157,-2026 -3214,-2026 -3214,-1736 -3197,-1719 -3153,-1719 -3153,-1933 -3153.5,-1933.5 -3153.5,-2025.86
  region net NetC32_2: -3532.16,-2038 -3457,-2038 -3457,-1809 -2993,-1809 -2991,-1807 -2991,-1598 -3529.31,-1598 -3532.16,-1600.85 -3532.16,-2036.56
  region net NetQ7_5-6-7-8: -3529.16,-1194.85 -3352.59,-1194.85 -3352.59,-1576.59 -3357,-1581 -3360,-1578 -3484,-1578 -3484,-1393 -3488,-1389 -3488.74,-1389.74 -3529.16,-1389.74
  region net M_A: -3800.16,1120.15 -3623.59,1120.15 -3623.59,925.26 -3800.16,925.26
  region net M_B: -3782.16,700.15 -3605.59,700.15 -3605.59,505.26 -3782.16,505.26
  region net VM: -3832.69,172.43 -3760,172.43 -3760,81.57 -3832.69,81.57
  region net VM: -3417.69,312.43 -3344.54,312.43 -3339,306.89 -3339,224 -3361.07,224 -3363.5,221.57 -3417.69,221.57
  region net VM: -3377,1123 -3181,1123 -3181,921 -3375.98,921
  region net VM: -3366,709 -3173,709 -3173,500 -3173,492 -3366,492
  region net VIN: -2448.54,-137.17 -2420,-137.17 -2411,-146.17 -2411,-179.83 -2448.54,-179.83
  region net VIN: -3575.14,-838 -3493,-838 -3492,-837 -3492,-731.27 -3564.38,-731.27 -3571.68,-738.57
  region net VIN: -3946.21,-1584.22 -3894.72,-1584.22 -3893,-1585.94 -3893,-1643.59 -3946.21,-1643.59

## Silkscreen, mask and mechanical layers (free items; w line width, h text height)
Top Overlay:
  drawing of 136 lines, arcs and shapes, not listed
  text "Designed by Mehmet Emre Cebeci" at -728.43,-4454 h100 r90
  text "SmartRegener Rev 2.0 Tubitak - 2209 - A" at -595.02,-4454 h100 r90
Bottom Overlay:
  drawing of 168 lines, arcs and shapes, not listed
Drill Drawing:
  lines w5: -4570,-4530 -4570,1425 -1055,1425 1299,1425 1299,-995 -505,-995 -505,-4530 -4570,-4530

## Text inside footprints (layer, text, board x,y; h text height)
C1: Top Overlay "+" at -3423.07,-446.61 h78.74 r270
C2: Top Overlay "+" at -2535.4,-3824.21 h78.74 r180
C3: Top Overlay "+" at -1702.79,-2050.4 h78.74 r270
C4: Top Overlay "+" at -2525.9,-3319.79 h78.74